# Altium PCB CPU-board-multi-Ethernnet.PcbDoc (part 1 of 3)
Units mm, origin at the board's own origin, x right, y up, seen from the top; angles counter-clockwise.
Board outline 124.38 x 78.66 mm, 5 copper layers (L1, L1-2, L2, L3, L4); 321 components, 264 nets, 1005 pads, 365 vias.
Unrouted connection lines stored in the file: 97.
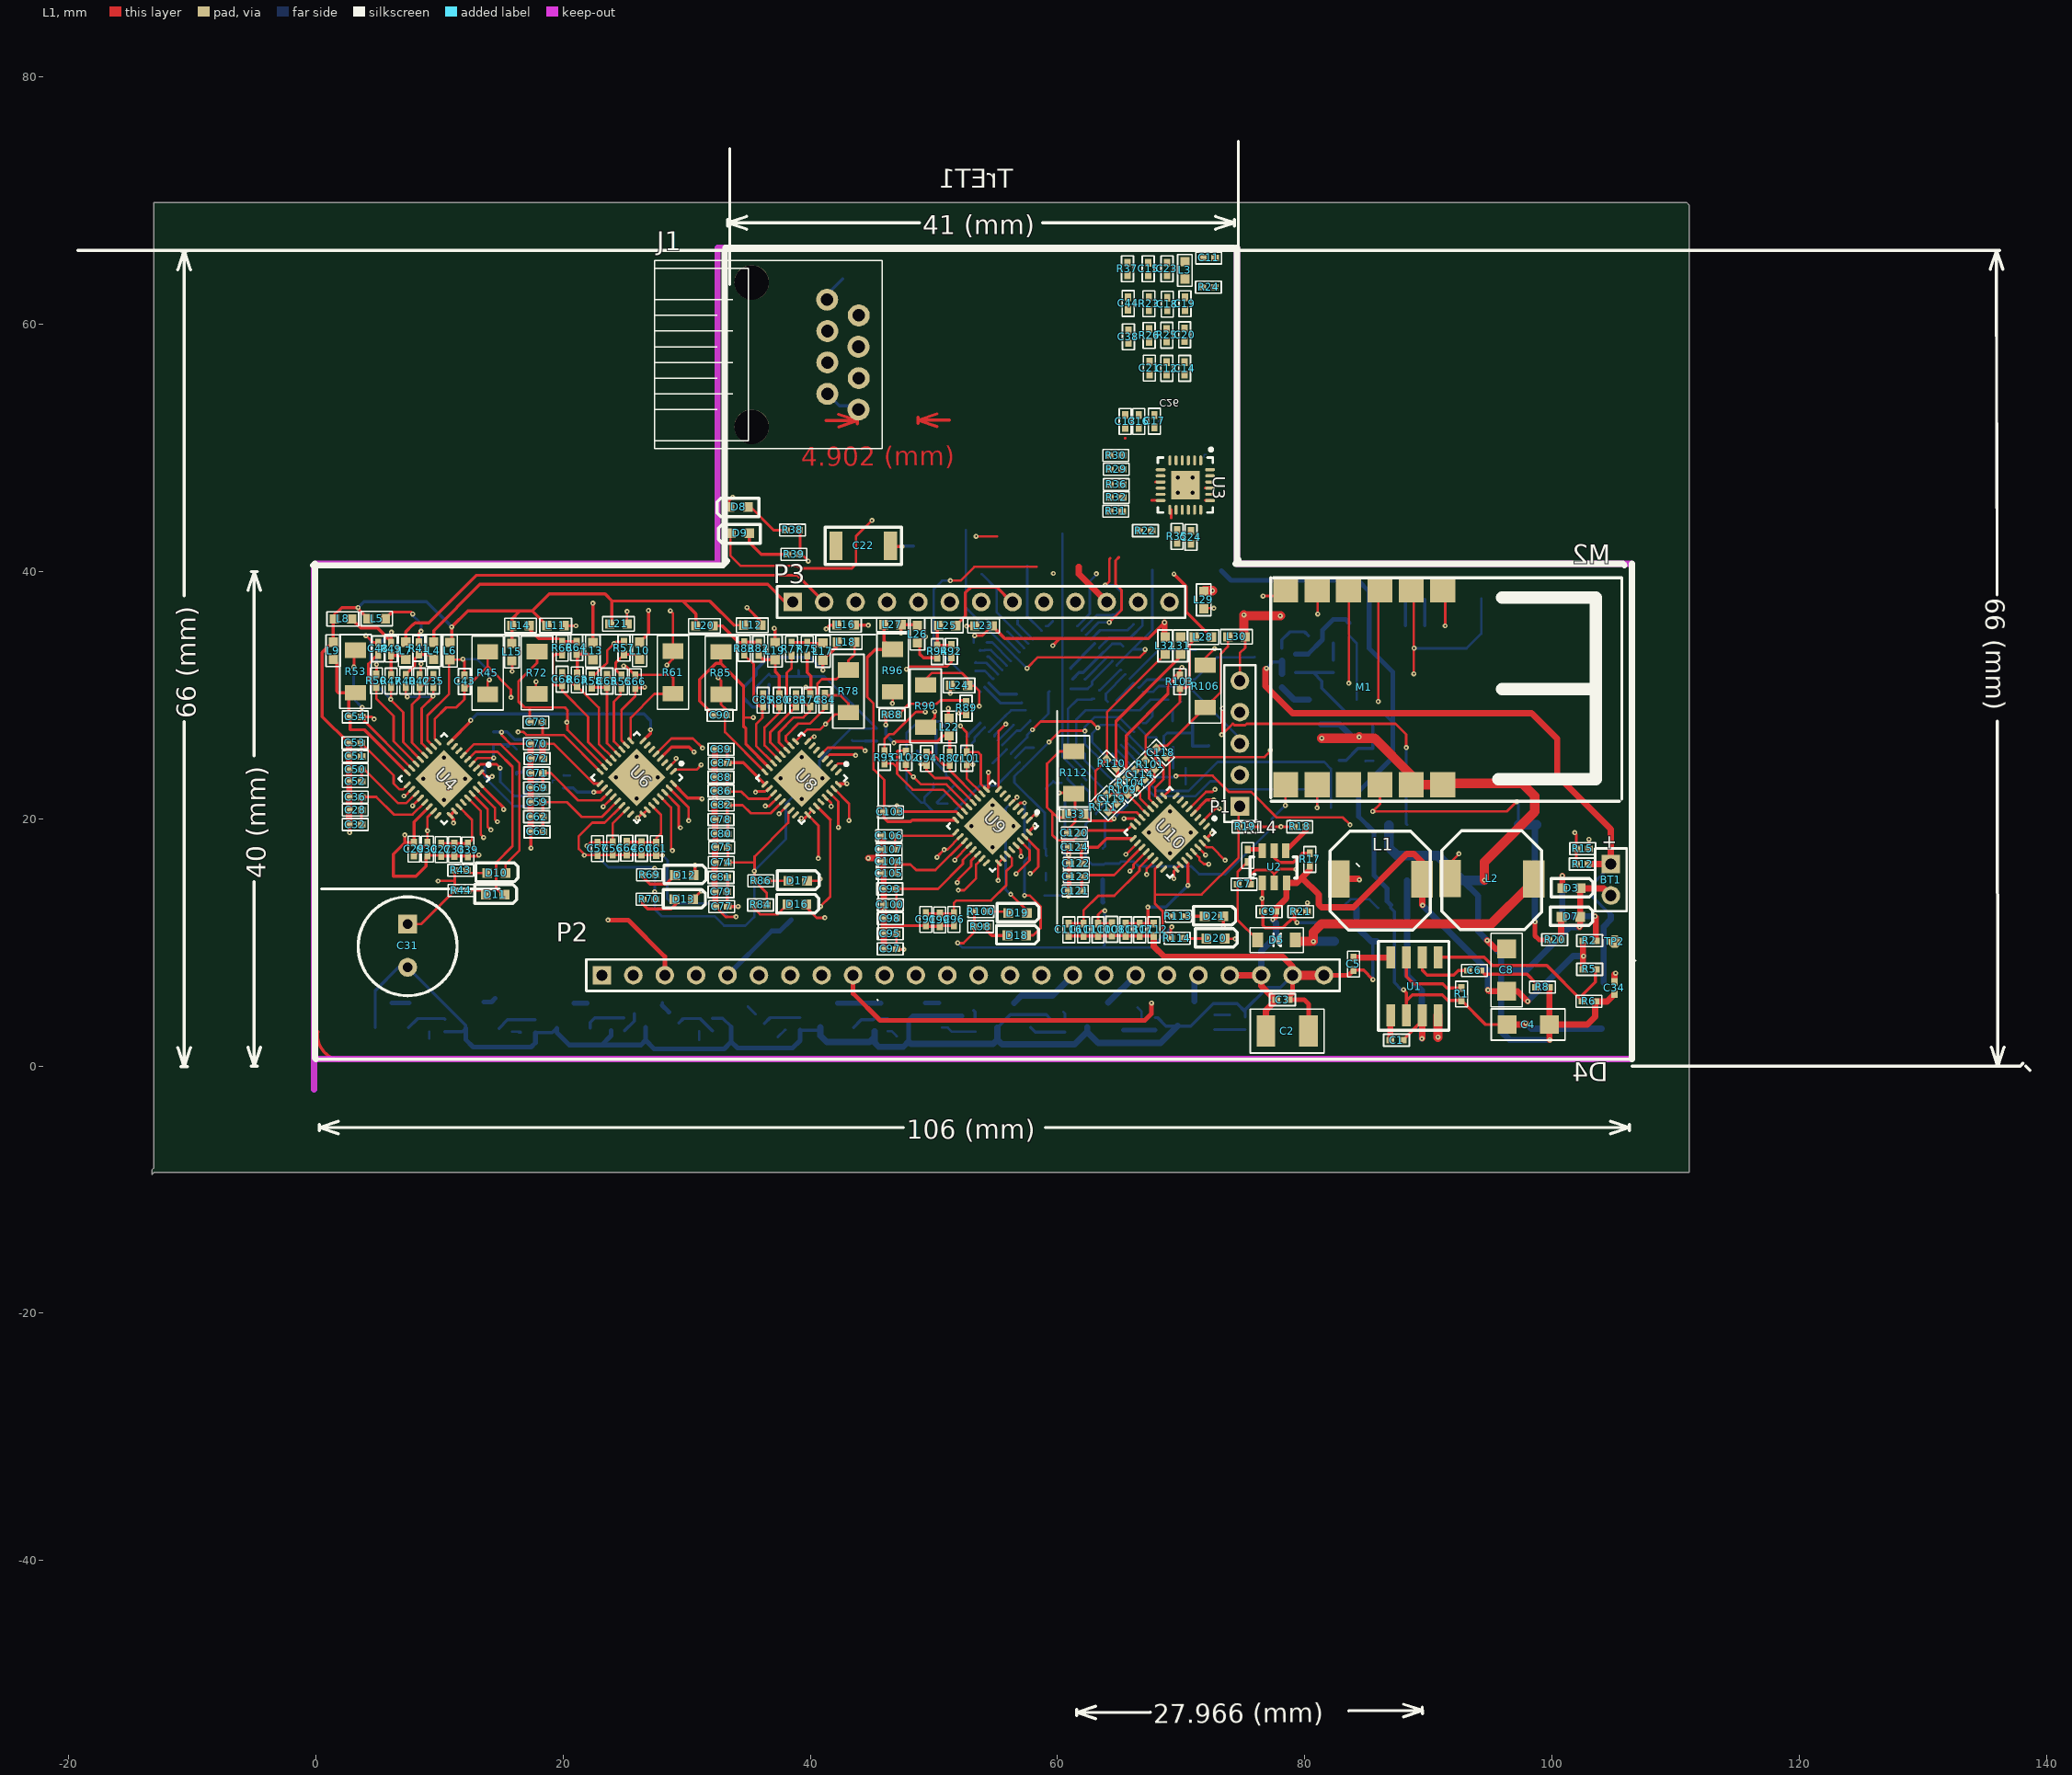
[diagram p0: L1 view]
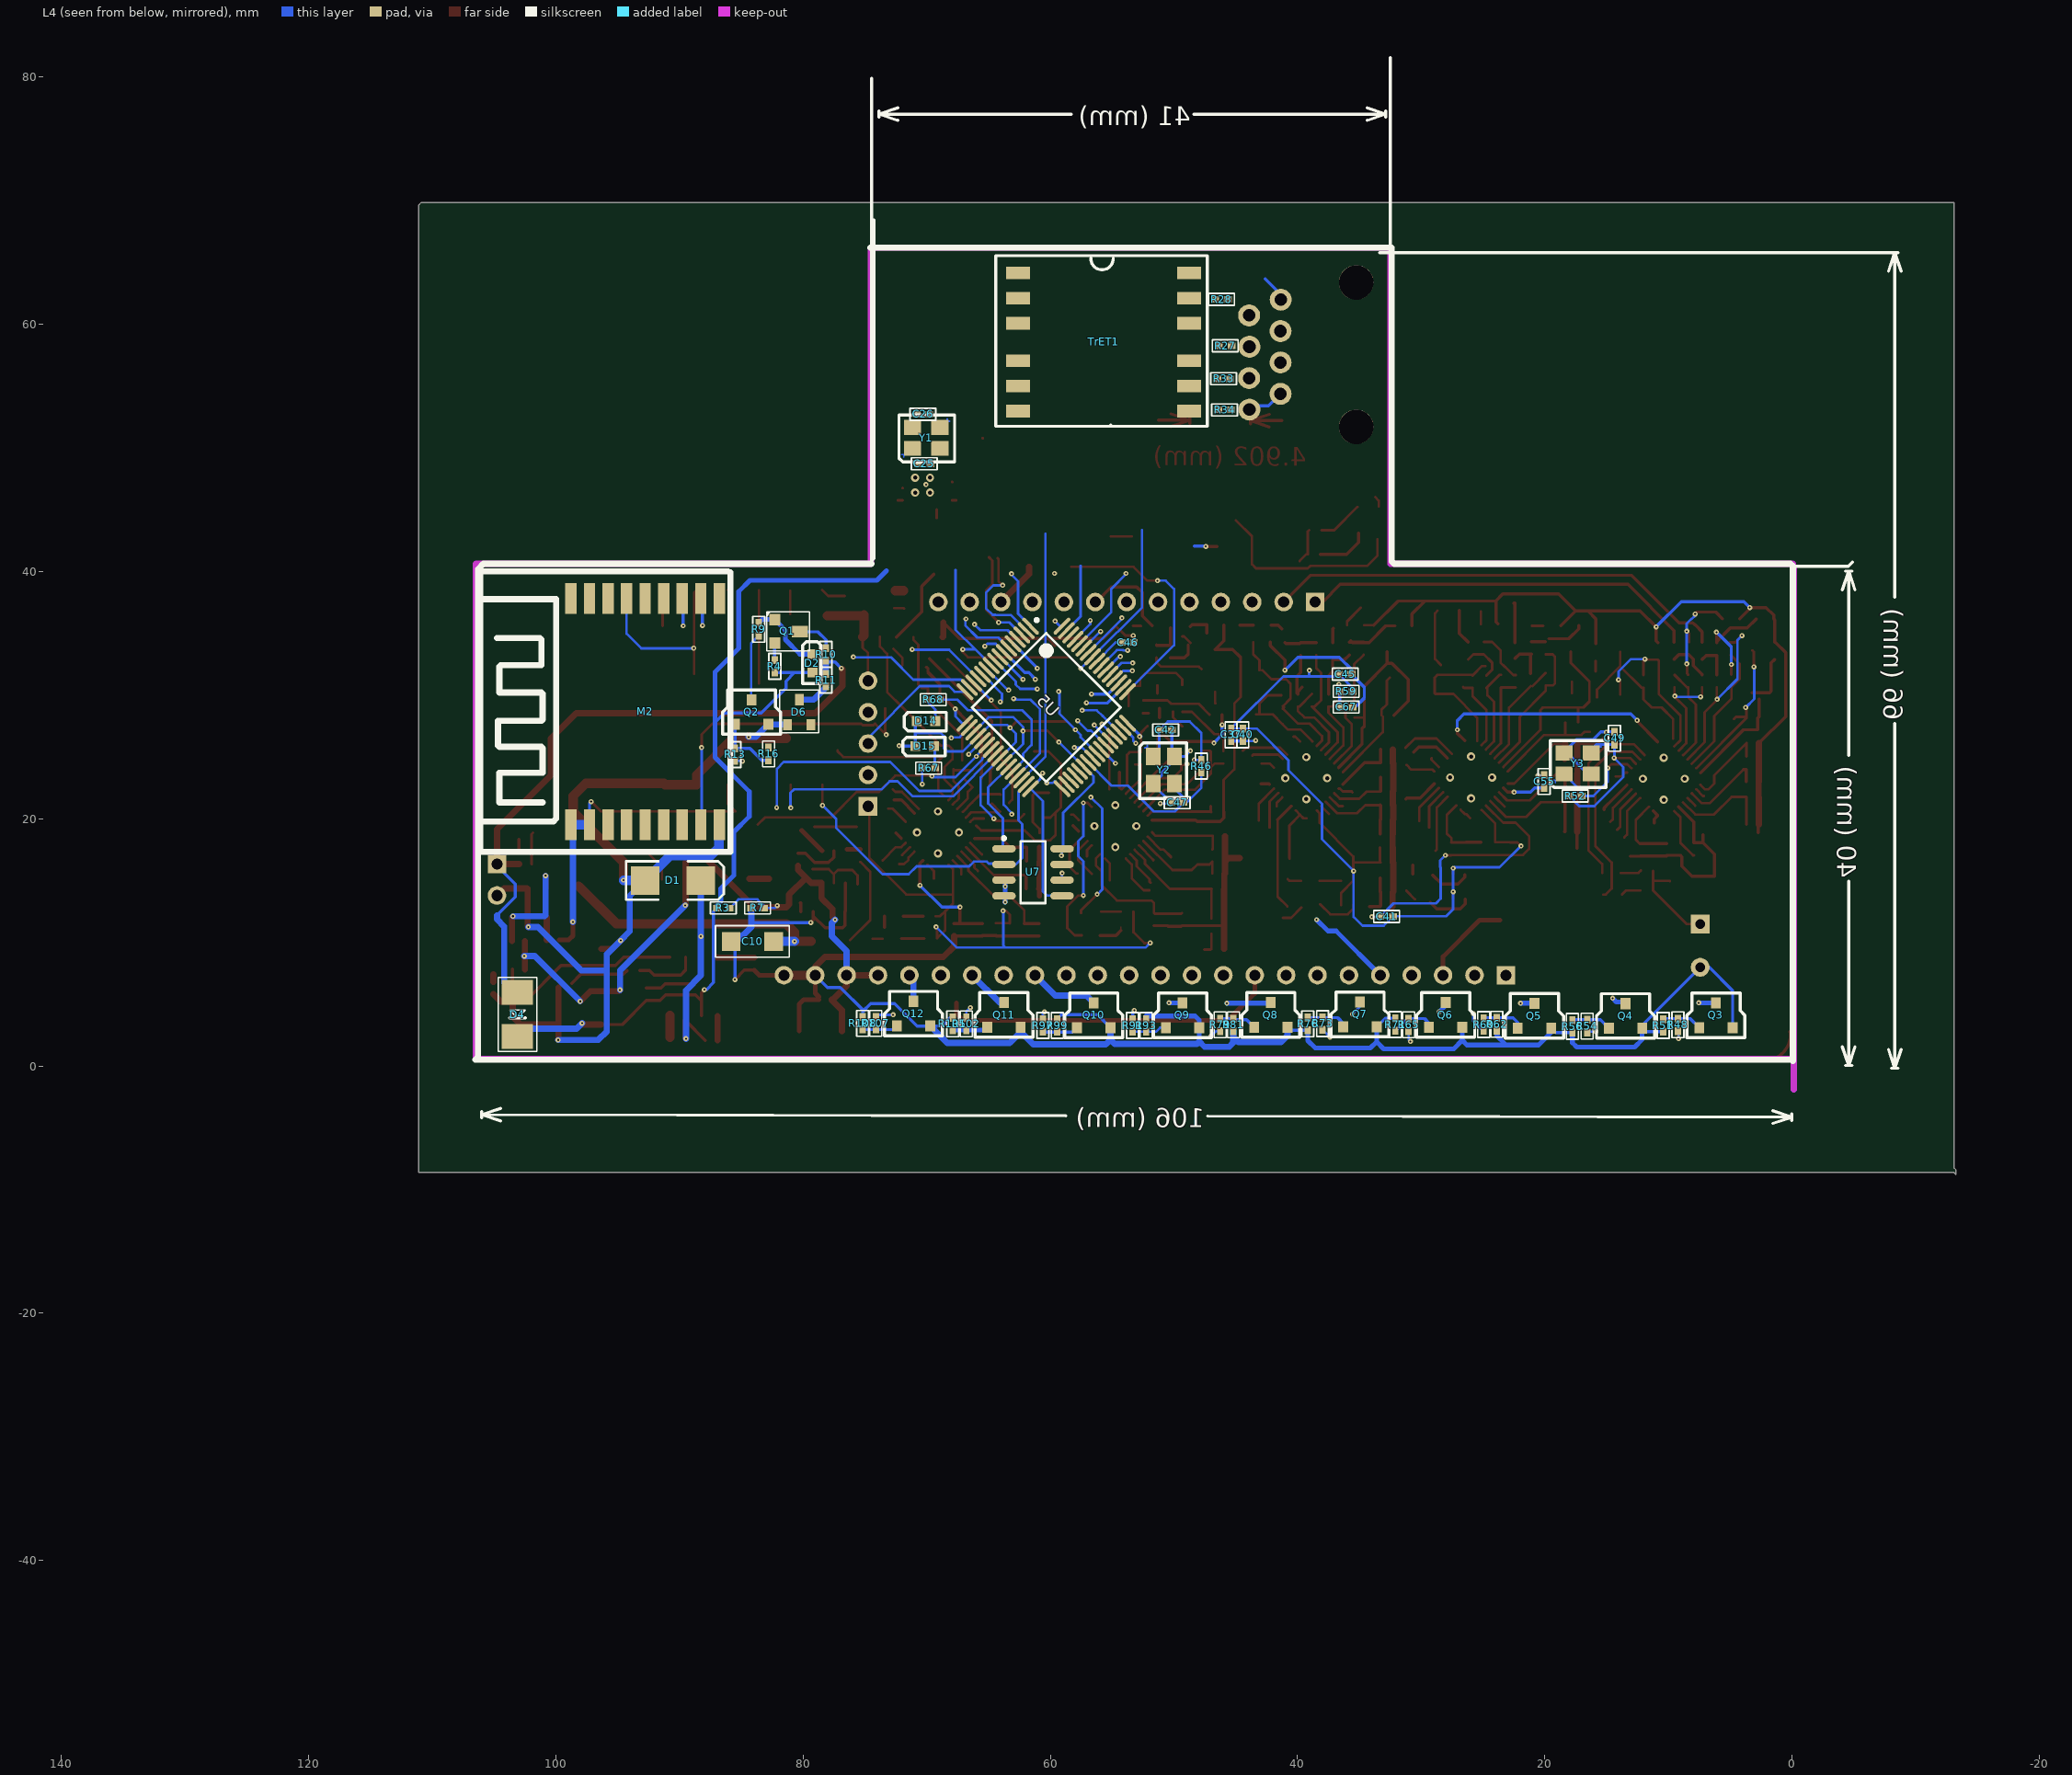
[diagram p1: L4 view, seen from below]
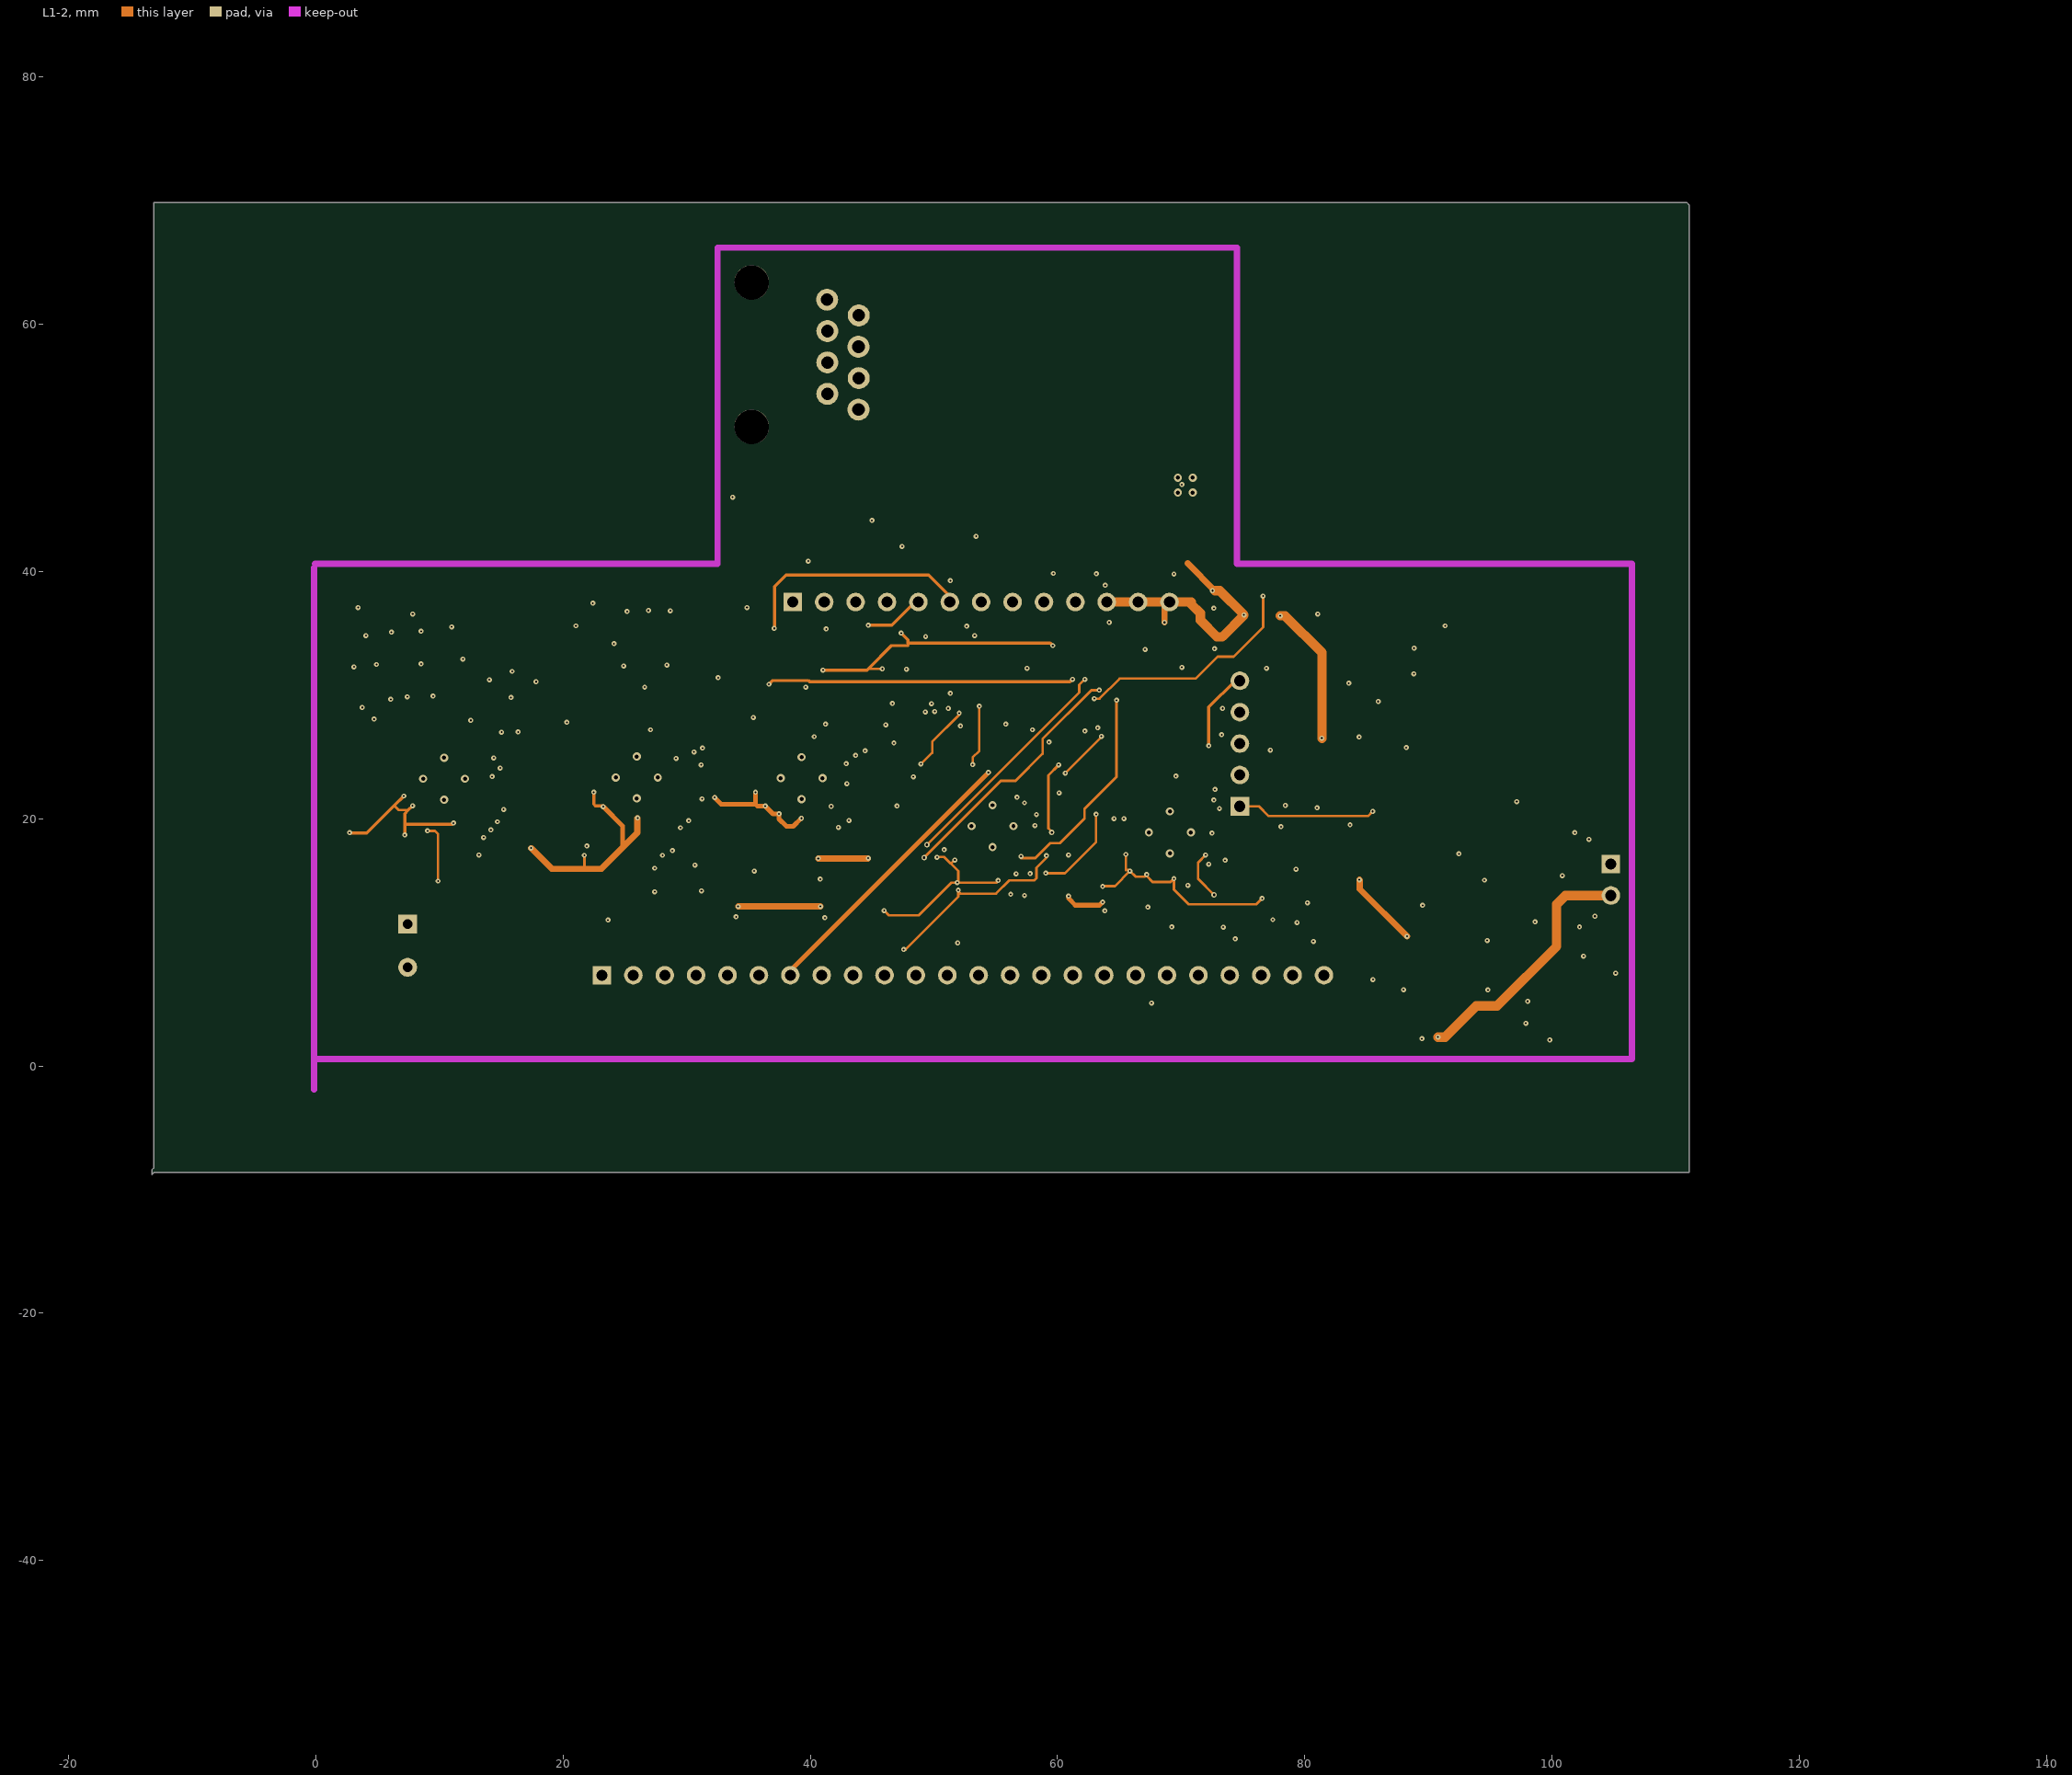
[diagram p2: L1-2]
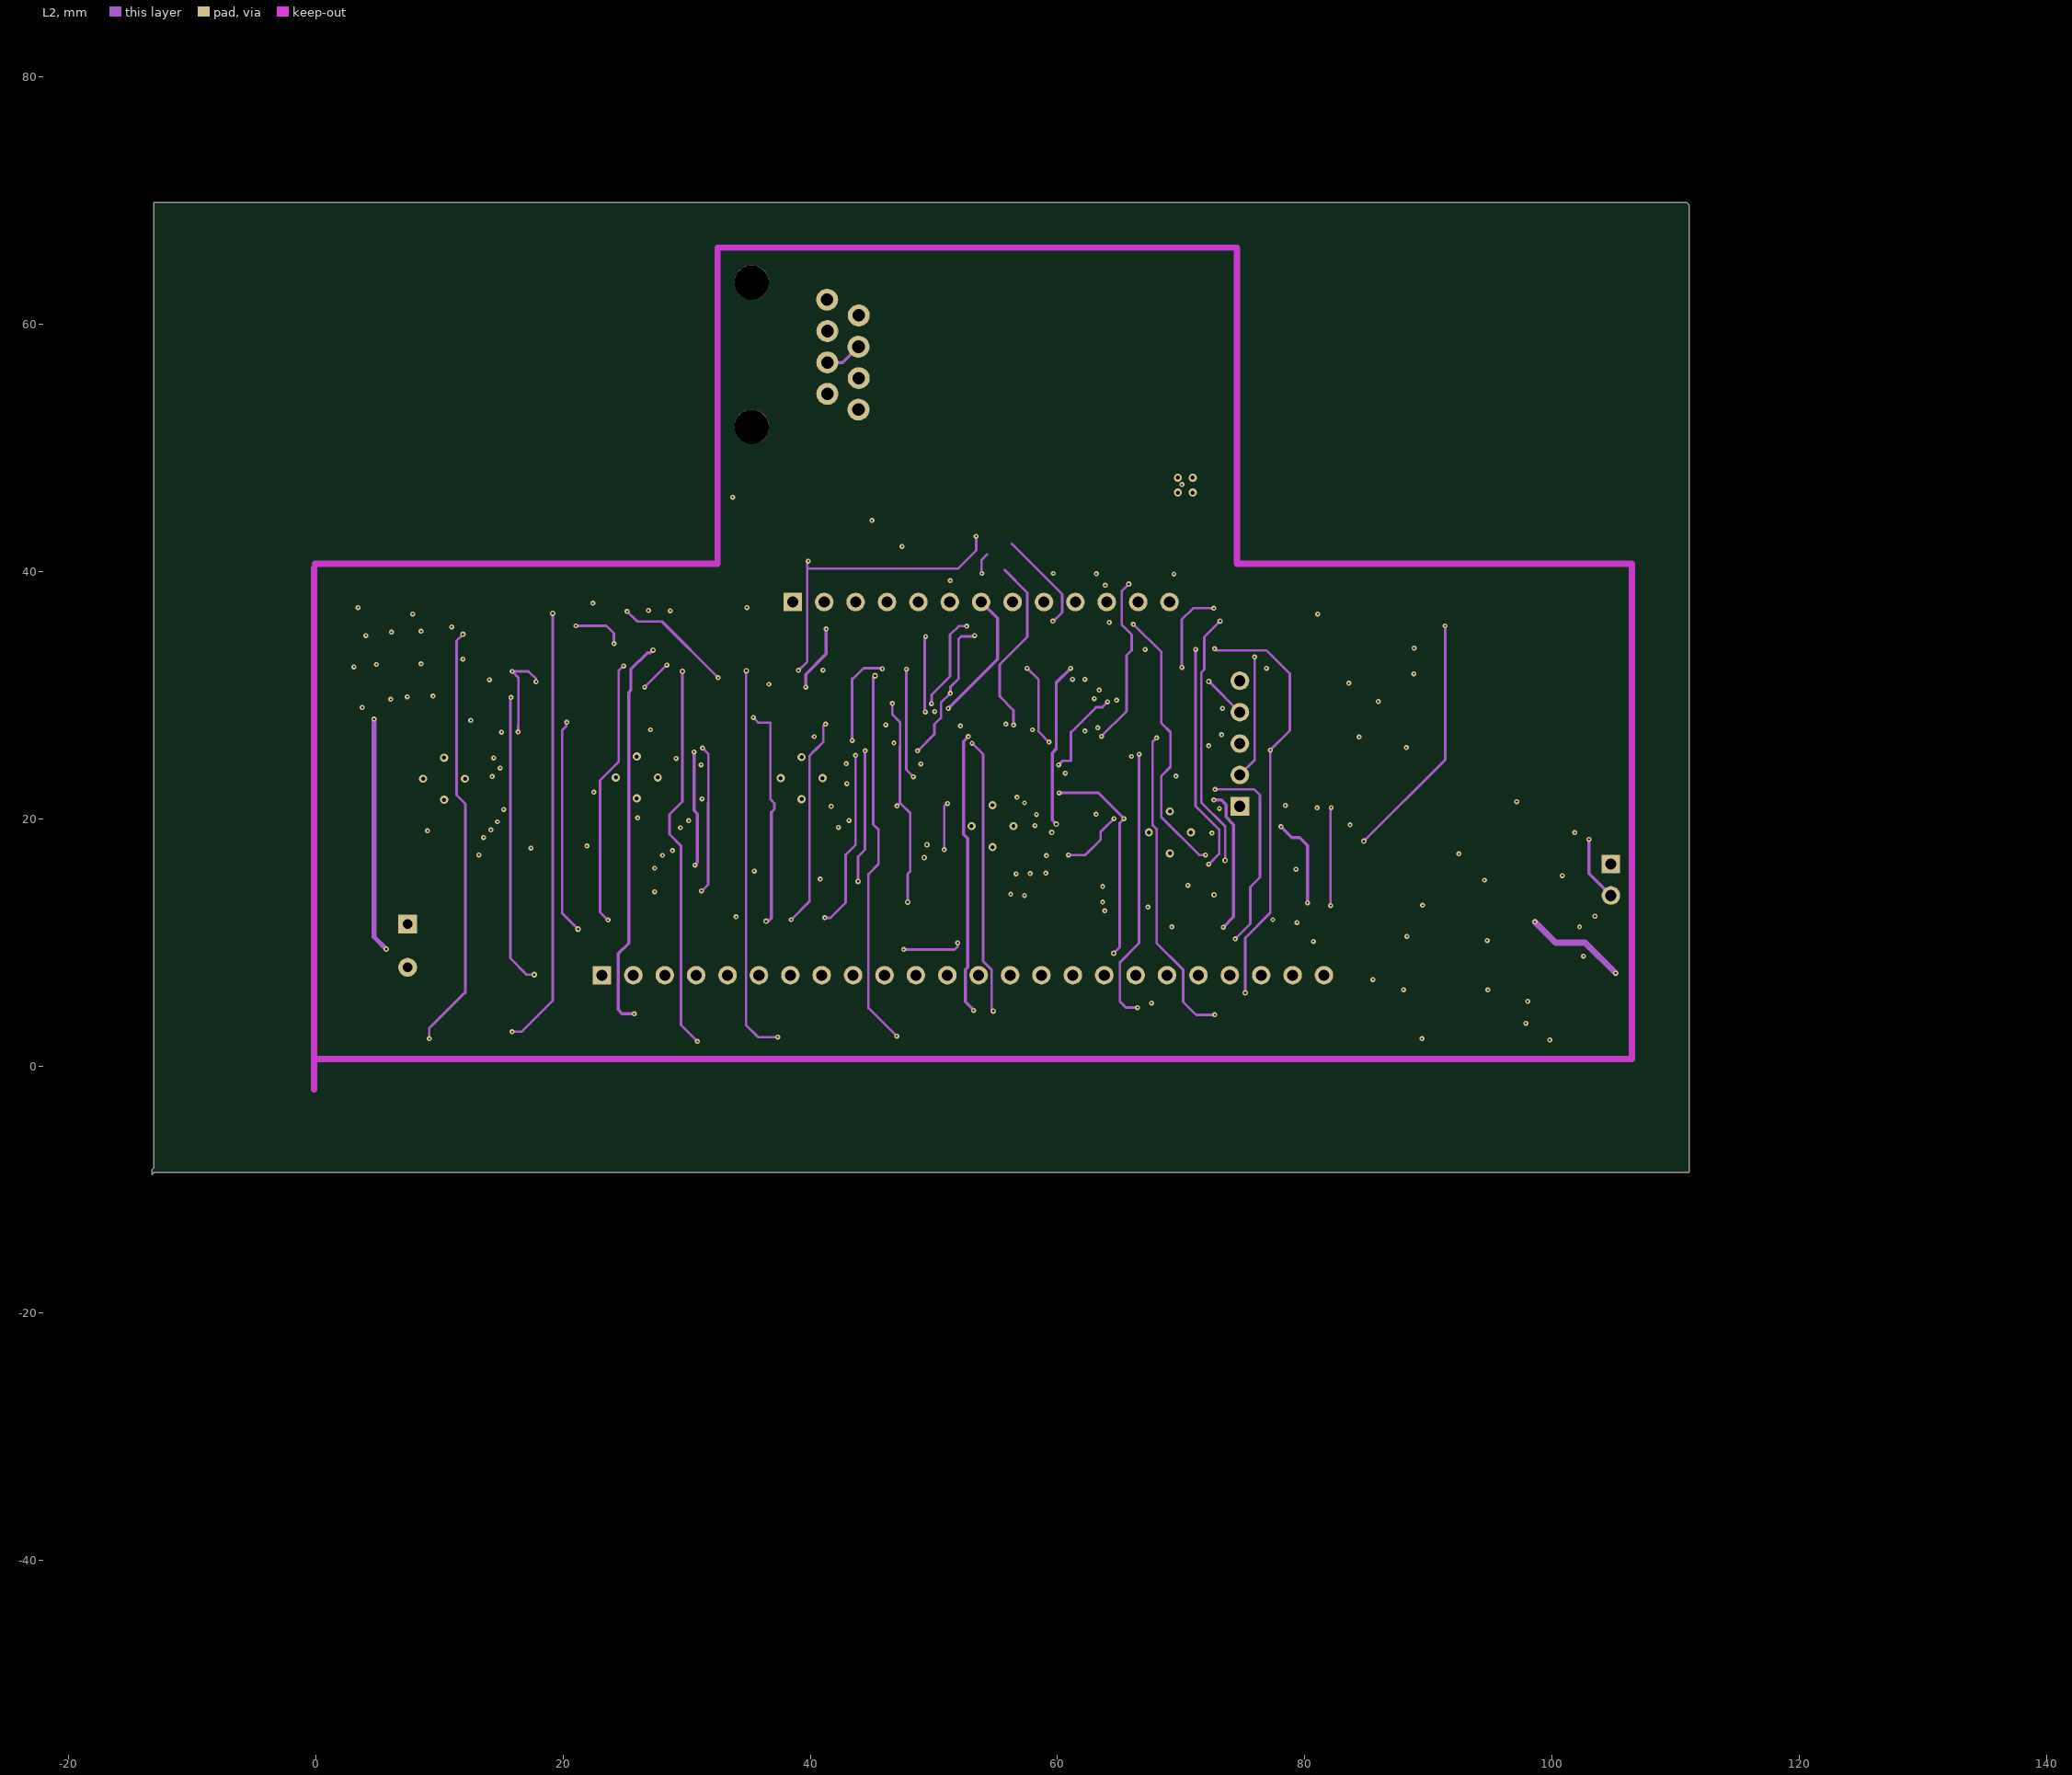
[diagram p3: L2]